# Allegro board POWERBOARD_V1_11_20240516.brd
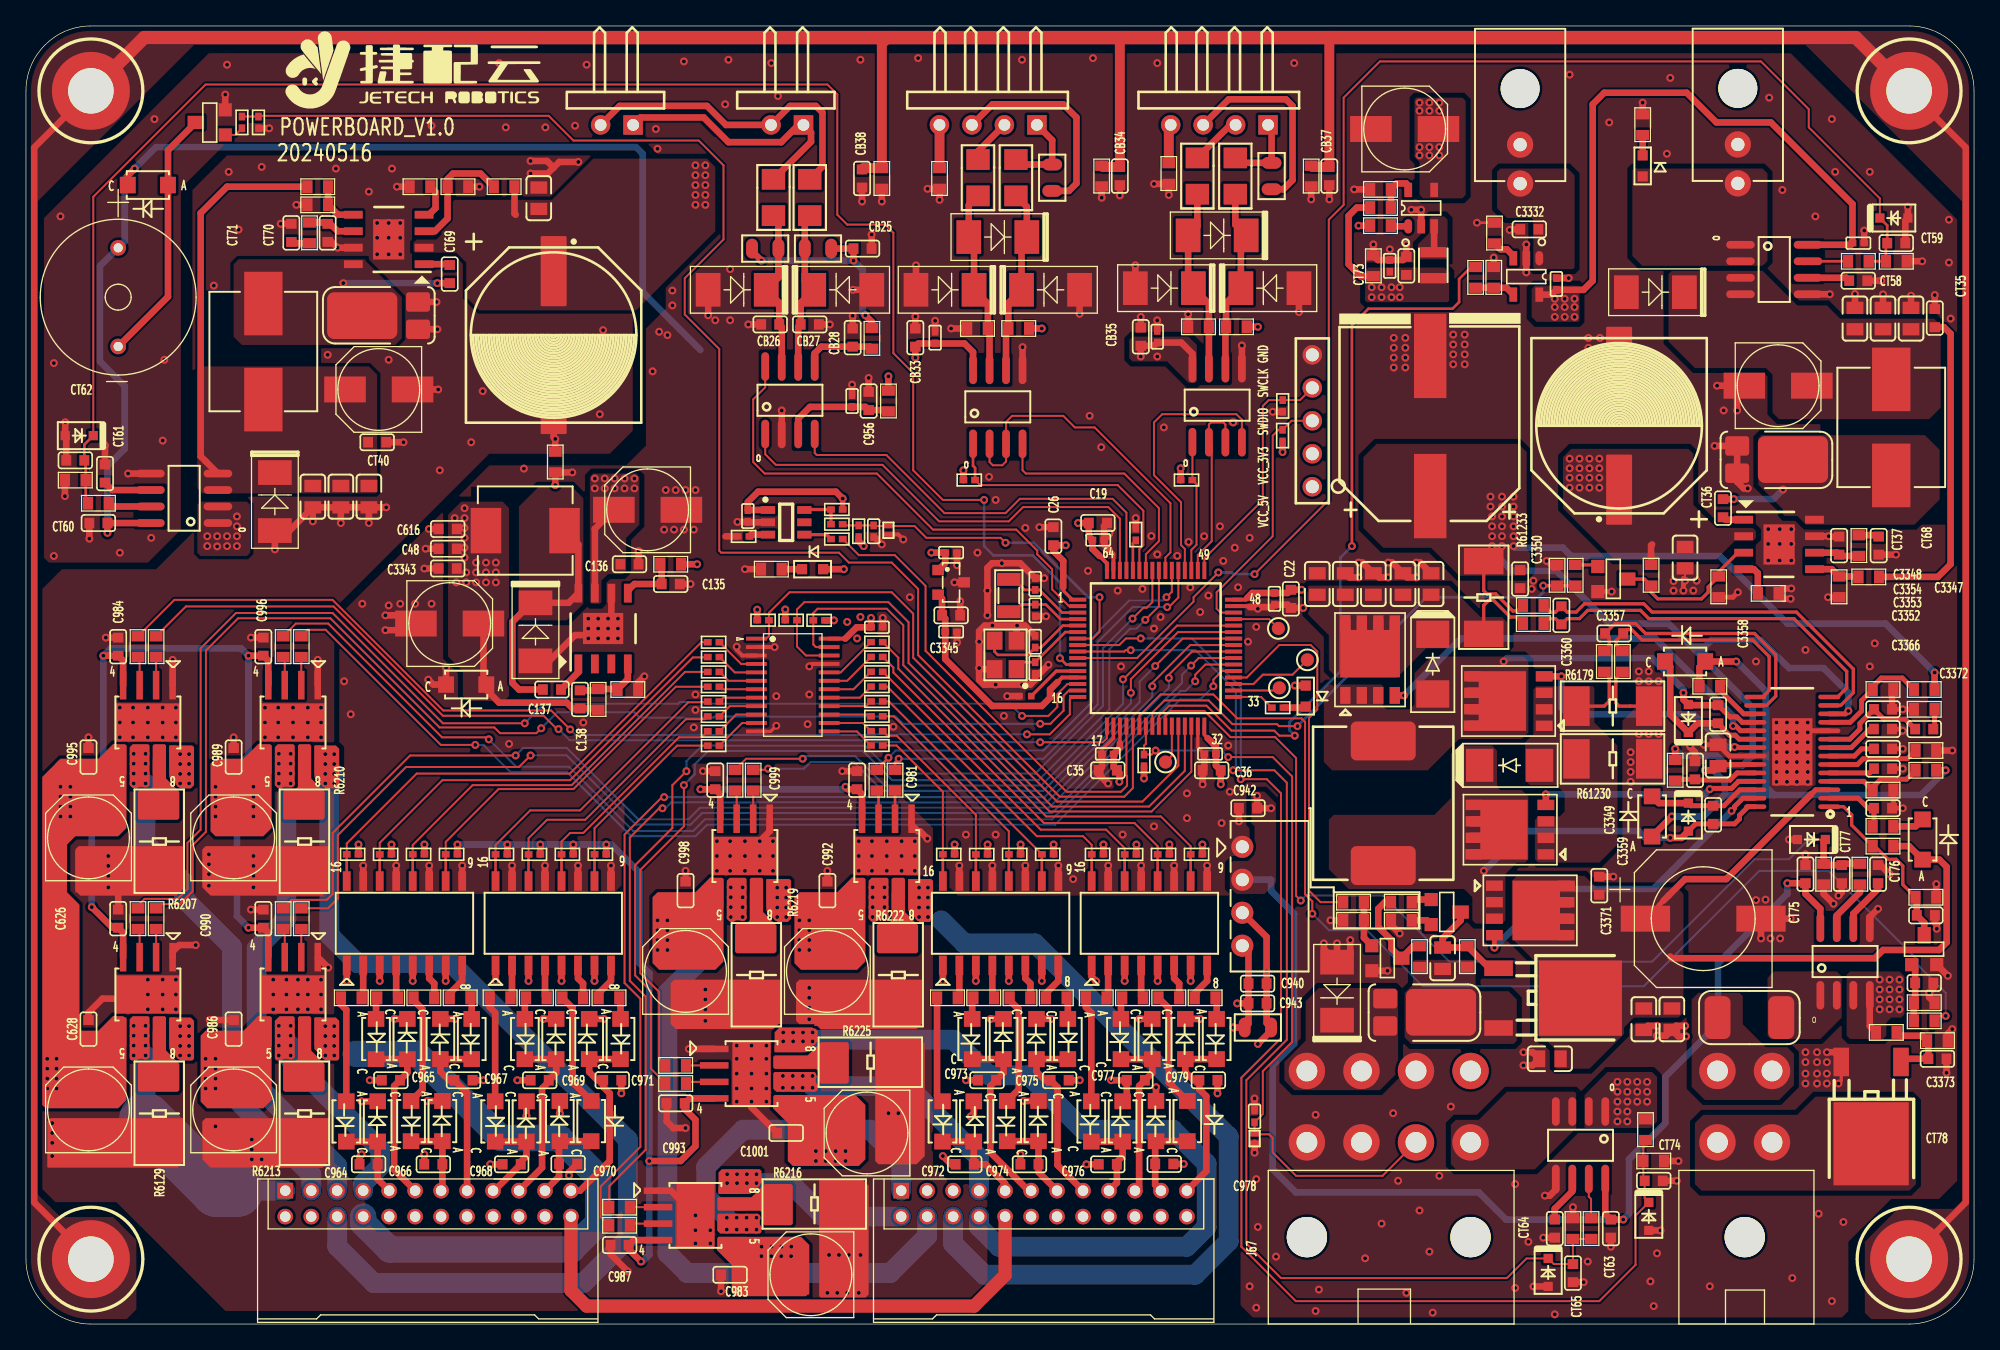
[diagram p0: board, top side]
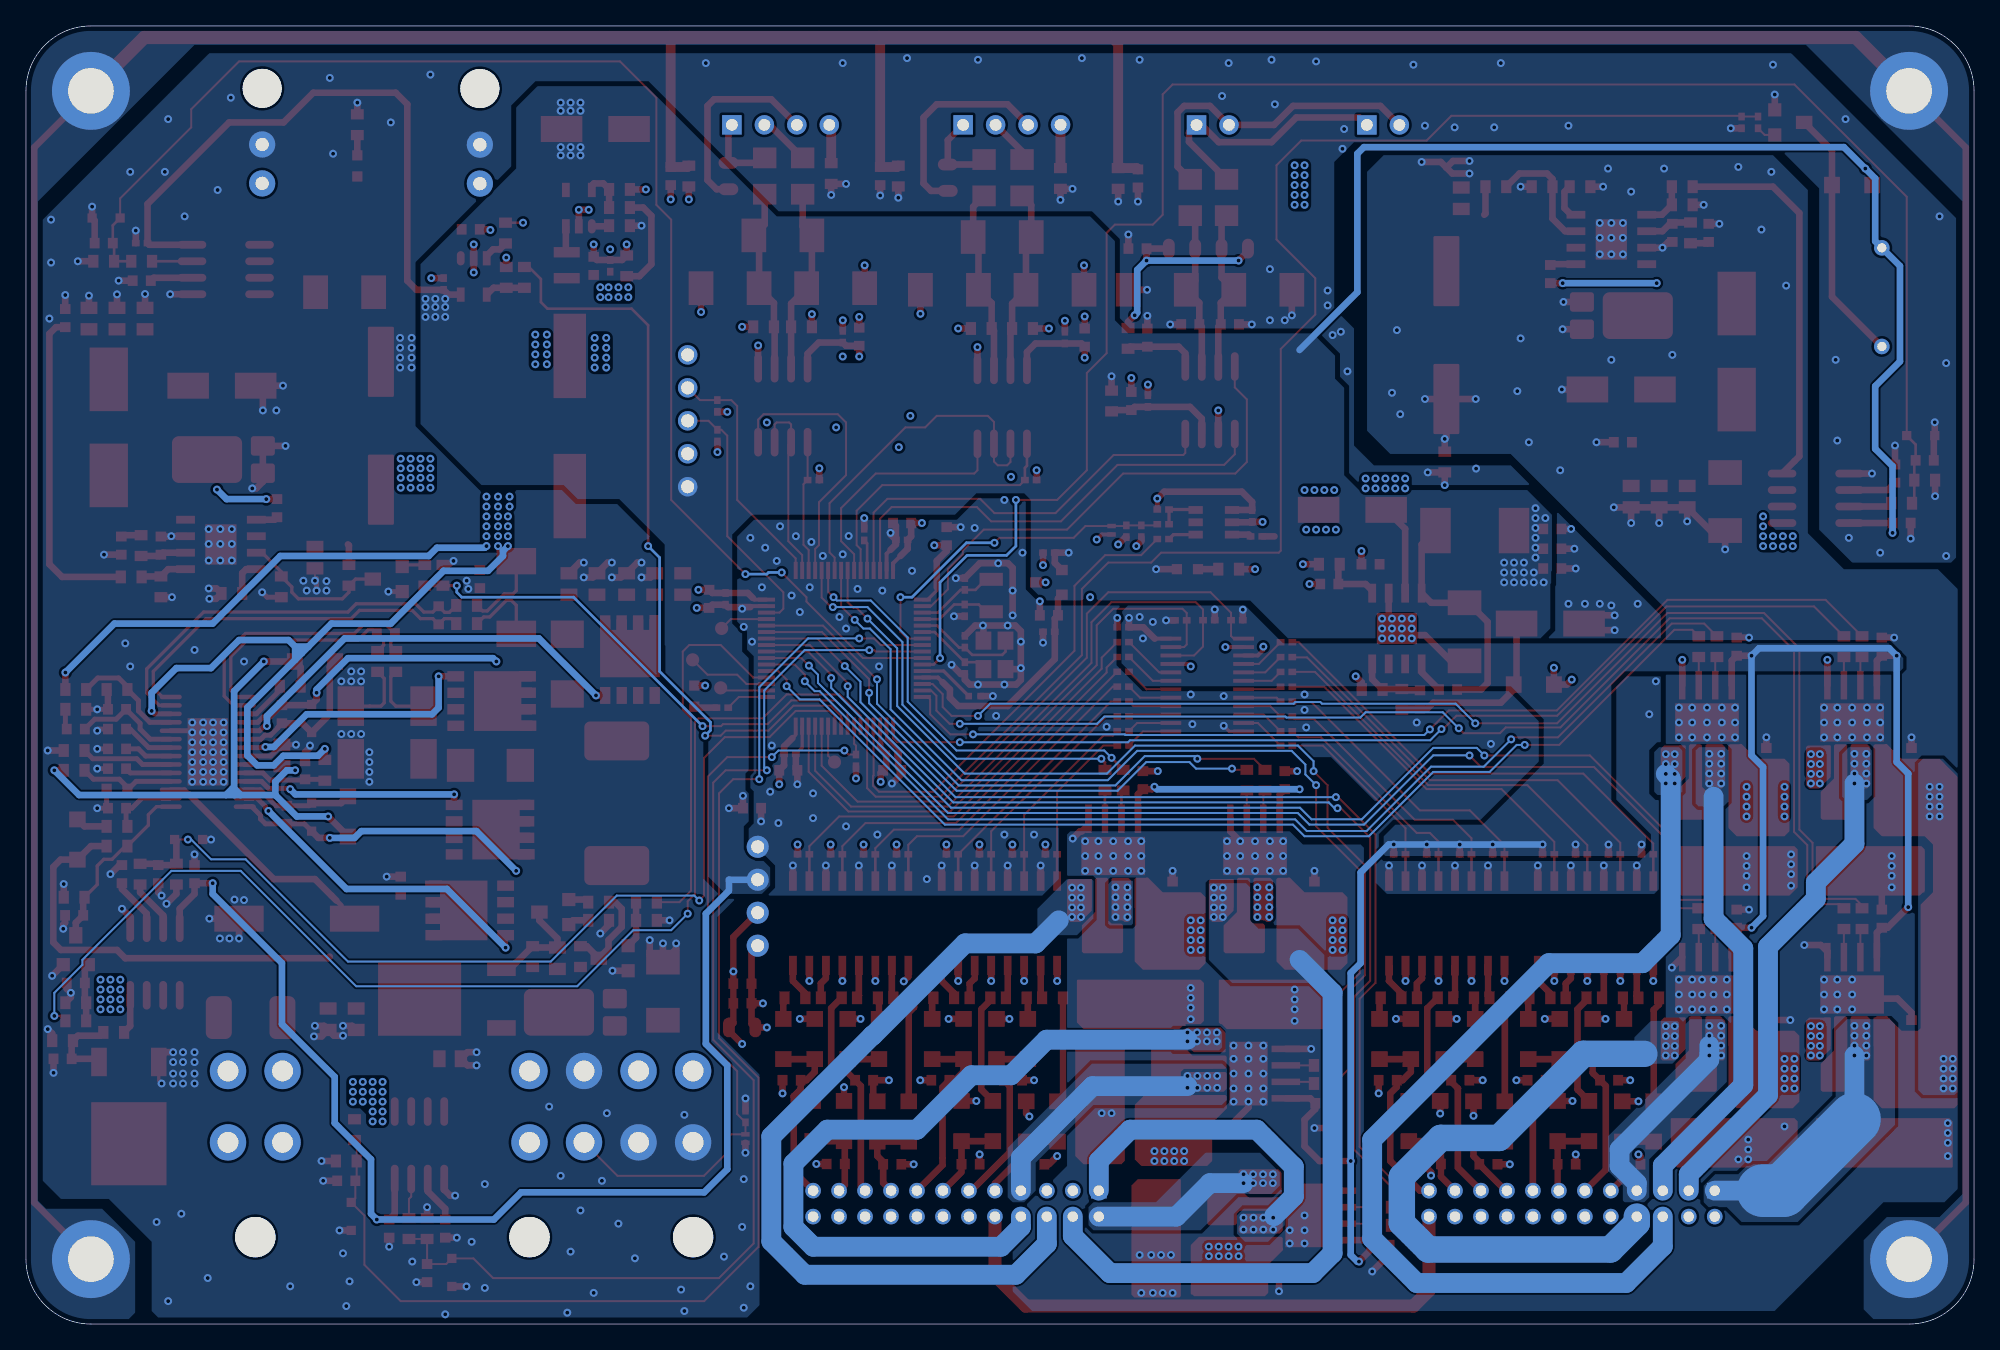
[diagram p1: board, bottom side, seen from below]

Outline 150 x 100 mm; copper layers: TOP, GND02, POWER03, BOTTOM. Coordinates in mm from the lower left corner of the outline.
Outline path: 0,95 arc(1.46,98.54) 5,100 145,100 arc(148.54,98.54) 150,95 150,5 arc(148.54,1.46) 145,0 5,0 arc(1.46,1.46) 0,5 0,95

## Design rules (mm)
constraint set DEFAULT: min track width 0.152

## Placement (name value [footprint] x y rotation side)
C19  10UF  [C0603]  82.54 61.71 180 top
C20  0.1UF  [C0402]  82.56 60.41 180 top
C21  0.1UF  [C0402]  96.13 55.87 270 top
C22  10UF  [C0603]  97.4 55.87 270 top
C23  10PF  [C0402]  77.71 57.01 90 top
C25  10PF  [C0402]  77.72 54.98 270 top
C26  10UF  [C0603]  79.11 60.69 90 top
C27  20PF  [C0402]  77.71 52.57 90 top
C31  20PF  [C0402]  77.71 50.53 90 top
C33  0.1UF  [C0402]  83.3 43.92 180 top
C34  0.1UF  [C0402]  91.17 43.92 180 top
C35  10UF  [C0603]  83.3 42.66 180 top
C36  10UF  [C0603]  91.3 42.66 180 top
C48  0.1UF  [C0603]  32.47 59.73 180 top
C135  0.1UF  [C0603]  49.65 57.01 0 top
C136  0.1UF  [C0603]  46.47 58.53 0 top
C137  10NF  [C0603]  40.5 48.88 180 top
C138  100PF  [C0603]  42.66 48.12 90 top
C531  0.1UF  [C0402]  65.27 61.07 270 top
C564  CSMT_50V_330UF_12p5x13p5  [CSMT_12P5_12P5]  122.67 69.2 90 top
C566  4.7UF_50V  [C0805]  127.75 59.04 270 top
C611  470UF_25V  [OSCON_6P6_6P6]  47.87 62.73 0 top
C612  0.1UF  [C0402]  94.6 15.99 90 top
C616  10UF_10V  [C0603]  32.47 61.25 180 top
C619  CSMT_10V_220UF_6p3x7p7  [OSCON_6P6_6P6]  32.63 53.96 180 top
C626  0.1UF  [C0603]  7.1 31.23 90 top
C627  470UF_25V  [OSCON_6P6_6P6]  4.81 16.5 270 top
C628  CL10B224KA8NNNC  [C0603]  4.81 22.72 90 top
C940  0.1UF  [C0603]  94.83 26.23 0 top
C942  10UF_10V  [C0603]  94.1 39.74 180 top
C943  10UF_10V  [C0603]  94.83 24.7 0 top
C956  10UF_10V  [C0603]  64.89 71.11 90 top
C964  100PF  [C0603]  26.38 12.31 180 top
C965  100PF  [C0603]  28.1 18.78 180 top
C966  100PF  [C0603]  31.37 12.31 180 top
C967  100PF  [C0603]  33.69 18.78 0 top
C968  100PF  [C0603]  37.4 12.31 180 top
C969  100PF  [C0603]  39.56 18.78 180 top
C970  100PF  [C0603]  41.74 12.33 0 top
C971  100PF  [C0603]  45.14 18.78 0 top
C972  100PF  [C0603]  72.29 12.31 180 top
C973  100PF  [C0603]  74 18.78 180 top
C974  100PF  [C0603]  77.27 12.31 180 top
C975  100PF  [C0603]  79.59 18.78 0 top
C976  100PF  [C0603]  83.3 12.31 180 top
C977  100PF  [C0603]  85.46 18.78 180 top
C978  100PF  [C0603]  87.65 12.33 0 top
C979  100PF  [C0603]  91.05 18.78 0 top
C981  0.1UF  [C0603]  64 41.9 90 top
C982  470UF_25V  [OSCON_6P6_6P6]  50.79 27.17 270 top
C983  CL10B224KA8NNNC  [C0603]  54.22 3.8 180 top
C984  0.1UF  [C0603]  7.1 52.18 90 top
C985  470UF_25V  [OSCON_6P6_6P6]  4.81 37.45 270 top
C986  CL10B224KA8NNNC  [C0603]  15.99 22.72 90 top
C987  0.1UF  [C0603]  45.71 6.08 180 top
C988  470UF_25V  [OSCON_6P6_6P6]  61.71 27.17 270 top
C989  CL10B224KA8NNNC  [C0603]  15.99 43.68 90 top
C990  0.1UF  [C0603]  18.28 31.23 90 top
C991  470UF_25V  [OSCON_6P6_6P6]  15.99 37.45 270 top
C992  CL10B224KA8NNNC  [C0603]  61.71 33.39 90 top
C993  0.1UF  [C0603]  50.03 17.01 180 top
C994  470UF_25V  [OSCON_6P6_6P6]  64.76 14.72 0 top
C995  CL10B224KA8NNNC  [C0603]  4.81 43.68 90 top
C996  0.1UF  [C0603]  18.28 52.18 90 top
C997  470UF_25V  [OSCON_6P6_6P6]  60.44 3.8 0 top
C998  CL10B224KA8NNNC  [C0603]  50.79 33.39 90 top
C999  0.1UF  [C0603]  53.07 41.9 90 top
C1000  470UF_25V  [OSCON_6P6_6P6]  15.99 16.5 270 top
C1001  CL10B224KA8NNNC  [C0603]  58.54 14.72 180 top
C1002  0.1UF  [C0402]  71.24 59.43 0 top
C1003  470UF_25V  [OSCON_6P6_6P6]  134.91 72.29 180 top
C3331  CSMT_10V_220UF_6p3x7p7  [OSCON_6P6_6P6]  106.16 92.06 180 top
C3332  10UF_10V  [C0603]  115.75 84.33 180 top
C3334  22UF_25V  [C0805]  145.15 77.46 90 top
C3335  22UF_25V  [C0805]  140.83 77.46 90 top
C3336  22UF_25V  [C0805]  142.99 77.46 90 top
C3337  CSMT_50V_330UF_12p5x13p5  [CSMT_12P5_12P5]  40.63 76.19 270 top
C3338  4.7UF_50V  [C0805]  39.49 86.73 90 top
C3339  470UF_25V  [OSCON_6P6_6P6]  27.17 72 0 top
C3340  22UF_25V  [C0805]  24.25 63.74 270 top
C3341  22UF_25V  [C0805]  26.4 63.74 270 top
C3342  22UF_25V  [C0805]  22.09 63.74 270 top
C3343  10UF_10V  [C0603]  32.47 58.2 180 top
C3345  10UF  [C0603]  71.24 54.6 0 top
C3346  0.1UF  [C0402]  71.24 53.33 0 top
C3347  22NF  [C0603]  146.17 45.83 0 top
C3348  100PF  [C0603]  142.99 47.36 0 top
C3349  220NF  [C0603]  128.51 42.66 90 top
C3350  100PF  [C0603]  115.05 57.39 270 top
C3352  22NF  [C0603]  142.99 42.79 0 top
C3353  100PF  [C0603]  142.99 44.31 0 top
C3354  0.1UF  [C0603]  142.99 45.84 0 top
C3355  4.7UF_50V  [C0805]  130.29 43.8 90 top
C3356  RVT470UF50V34RV0133  [OSCON_12P5_12P5]  108.13 63.78 90 top
C3357  47PF  [C0603]  122.29 53.2 180 top
C3358  220NF  [C0603]  130.29 46.98 270 top
C3359  220NF  [C0603]  129.91 39.23 90 top
C3360  47PF  [C0603]  118.23 54.6 270 top
C3361  4.7UF_50V  [C0805]  101.59 57.01 90 top
C3362  4.7UF_50V  [C0805]  99.43 57.01 90 top
C3363  4.7UF_50V  [C0805]  103.75 57.01 90 top
C3364  4.7UF_50V  [C0805]  108.19 57.01 90 top
C3365  4.7UF_50V  [C0805]  106.03 57.01 90 top
C3366  0.1UF  [C0603]  142.99 39.74 0 top
C3367  4.7UF_50V  [C0805]  117.34 20.43 180 top
C3368  4.7UF_50V  [C0805]  126.73 23.48 270 top
C3369  4.7UF_50V  [C0805]  124.58 23.48 270 top
C3370  CS220UF50V167RV0149  [OSCON_10P0_10P0]  129.15 31.23 0 top
C3371  0.1UF  [C0603]  121.15 33.77 90 top
C3372  0.1UF  [C0603]  146.29 31.48 0 top
C3373  0.1UF  [C0603]  146.17 26.28 0 top
C3376  4.7UF_50V  [C0805]  109.08 28.18 90 top
CB22  0.1UF  [C0402]  70 75.99 90 top
CB24  0.1UF  [C0402]  63.61 71.11 90 top
CB25  4.7NF_50V  [C0603]  64.42 82.85 0 top
CB26  56PF  [C0603]  57.3 77.01 180 top
CB27  56PF  [C0603]  60.35 77.01 0 top
CB28  0.1UF  [C0603]  63.65 75.99 90 top
CB30  0.1UF  [C0402]  65.52 53.68 0 top
CB33  10UF  [C0603]  68.48 75.99 90 top
CB34  1000PF  [C0603]  84.23 88.44 90 top
CB35  10UF  [C0603]  85.84 76.06 90 top
CB36  0.1UF  [C0402]  87.1 76.06 90 top
CB37  1000PF  [C0603]  100.36 88.44 90 top
CB38  1000PF  [C0603]  64.38 88.25 90 top
CT35  0.1UF  [C0603]  146.98 77.49 90 top
CT36  0.1UF  [C0603]  130.67 62.85 90 top
CT37  6.8PF_50V  [C0603]  139.61 59.97 90 top
CT40  0.1UF  [C0603]  27.04 67.93 0 top
CT56  0.1UF  [C0402]  55.58 62.25 270 top
CT57  0.1UF  [C0402]  141.09 83.27 0 top
CT58  10NF  [C0603]  141.09 80.38 0 top
CT59  3.3NF_50V  [C0603]  144.01 83.27 0 top
CT60  0.1UF  [C0603]  5.58 61.71 180 top
CT61  10NF  [C0603]  6.08 65.52 90 top
CT62  3.3NF_50V  [C0603]  3.8 66.54 180 top
CT63  0.1UF  [C0603]  122.04 7.35 270 top
CT64  10NF  [C0603]  117.72 7.35 270 top
CT65  3.3NF_50V  [C0603]  119.11 3.92 270 top
CT67  0.1UF  [C0402]  117.84 80.12 90 top
CT68  3.3NF_50V  [C0603]  142.66 59.97 270 top
CT69  0.1UF  [C0603]  32.63 80.89 270 top
CT70  6.8PF_50V  [C0603]  23.23 84.06 270 top
CT71  3.3NF_50V  [C0603]  20.44 84.06 90 top
CT72  0.1UF  [C0402]  105.01 81.52 90 top
CT73  10UF  [C0603]  106.29 81.52 90 top
CT74  0.1UF  [C0603]  125.34 11.04 0 top
CT75  0.1UF  [C0603]  137.02 34.66 90 top
CT76  10NF  [C0603]  142.61 34.66 90 top
CT77  3.3NF_50V  [C0603]  139.82 34.66 270 top
CT78  1NF  [C0603]  147.18 20.43 0 top
D816  1N4148W  [SOD123L]  24.67 15.61 90 top
D817  1N4148W  [SOD123L]  26.95 21.96 90 top
D818  1N4148W  [SOD123L]  29.65 15.64 90 top
D819  1N4148W  [SOD123L]  34.32 21.96 90 top
D820  1N4148W  [SOD123L]  36.13 15.61 90 top
D821  1N4148W  [SOD123L]  38.41 21.96 90 top
D822  1N4148W  [SOD123L]  43.52 15.64 90 top
D823  1N4148W  [SOD123L]  45.78 21.96 90 top
D824  1N4148W  [SOD123L]  70.57 15.61 90 top
D825  1N4148W  [SOD123L]  72.86 21.96 90 top
D826  1N4148W  [SOD123L]  75.55 15.64 90 top
D827  1N4148W  [SOD123L]  80.22 21.96 90 top
D828  1N4148W  [SOD123L]  82.03 15.61 90 top
D829  1N4148W  [SOD123L]  84.32 21.96 90 top
D830  1N4148W  [SOD123L]  89.42 15.64 90 top
D831  1N4148W  [SOD123L]  91.68 21.96 90 top
D832  SS56  [SMB]  39.23 53.33 180 top
D833  LED0603_GREEN  [LED0603]  98.54 48.37 270 top
D834  LED0603_YELLOWGREEN  [LED0603]  124.49 89.22 90 top
D835  LED0603_RED  [LED0603]  60.57 58.15 180 top
D836  1N4148W  [SOD123L]  9.39 87.74 0 top
D837  SS210  [SOD123L]  127.75 51.04 0 top
D838  SS210  [SOD123L]  125.21 39.1 270 top
D839  SS210  [SMA]  116.54 43.04 180 top
D840  SS210  [SMA]  108.32 48.54 90 top
D841  SS210  [SOD123L]  146.04 37.33 270 top
DB49  0  [R0603]  65.14 75.93 90 top
DB51  0  [R0603]  66.41 71.11 270 top
DT46  10K  [R0603]  73.27 76.7 180 top
DT47  10K  [R0603]  76.44 76.7 180 top
DT70  5.1K  [R0603]  119.29 57.68 90 top
DT71  47K  [R0603]  117.89 57.68 90 top
DT73  10K  [R0402]  72.63 65.02 0 top
DT74  1M  [R0603]  82.83 88.44 90 top
DT75  10K  [R0402]  89.36 65.02 0 top
DT76  10K  [R0603]  93.21 76.82 180 top
DT78  10K  [R0603]  90.29 76.82 180 top
DT79  1M  [R0603]  98.96 88.44 90 top
DT80  1M  [R0603]  65.9 88.25 90 top
DT81  0  [R0603]  88 88.63 90 top
DT82  0  [R0603]  70.35 88.25 90 top
DT83  100K_1%  [R0603]  147.18 21.83 0 top
DT84  100K_1%  [R0603]  143.24 22.47 0 top
ESD9  ESD5451N-2/TR  [DFN1006]  66.41 61.15 270 top
ESD10  ESD5451N-2/TR  [DFN1006]  94.6 14.29 270 top
FB1  BLM15AG102SN1D  [FB0402]  76.95 48.37 0 top
J66  -  [HX30002-4WA]  130.24 19.5 0 top
J67  -  [HX30002-8WA]  98.63 19.5 0 top
J68  -  [HX30002-2WA]  131.81 87.87 180 top
J69  -  [HX30002-2WA]  115.05 87.86 180 top
J70  -  [YTC-A2501-02AW]  59.87 92.38 180 top
J71  Paizhen_2p54mm_5P  [JUMPER2P54_1X5]  99.05 69.58 90 top
J72  -  [PH-4AW]  77.84 92.38 180 top
J74  HC-PHB-2*12AW-05  [PHB_2MM_12X2P]  19.97 10.28 0 top
J75  HC-PHB-2*12AW-05  [PHB_2MM_12X2P]  67.39 10.28 0 top
J76  -  [PH-4AW]  95.64 92.38 180 top
J77  -  [YTC-A2501-02AW]  46.75 92.38 180 top
L3  FAUL0640-220MT  [L6P6X7P0]  38.44 61.12 180 top
L4  CYA1040-47UH  [L11P6X10P1]  104.51 44.92 270 top
L5  CYA0850-10UH  [L9P2X8P0]  143.63 69.08 90 top
L6  CYA0850-10UH  [L9P2X8P0]  18.28 74.92 270 top
L7  FNRH252010S-2R2MT  [L2520]  108.36 82.57 0 top
MH1  NA  [MEHOLE]  145 95 0 top
MH2  NA  [MEHOLE]  5 5 0 top
MH3  NA  [MEHOLE]  5 95 0 top
MH4  NA  [MEHOLE]  145 5 0 top
NOREF  -  []  -22.62 103.87 0 top
Q11  MMBT2907A  [SOT_23]  122.21 57.39 270 top
Q12  MMBT2907A  [SOT_23]  14.16 92.57 90 top
Q13  NCE6003  [SOT_23]  146.17 28.87 0 top
Q14  NCE6003  [SOT_23]  109.39 31.74 270 top
Q15  NCE6003  [SOT_23]  104.81 28.18 270 top
R35  10K  [R0402]  85.45 60.82 90 top
R68  3.24K_1%  [R0603]  46.34 48.88 0 top
R69  100K_1%  [R0603]  49.65 58.53 180 top
R71  10K_1%  [R0603]  44.06 48.12 90 top
R254  10K  [R0402]  64.12 61.07 90 top
R342  140K_1%  [R0603]  141.9 57.56 180 top
R343  10K_1%  [R0603]  139.61 56.79 270 top
R806  249K  [R0603]  134.15 56.29 0 top
R807  450K_1%  [R0603]  125.13 57.68 270 top
R6128  10K  [R0402]  96.76 68.44 90 top
R6129  FRM252WJR200TK  [R2512]  10.28 16.22 270 top
R6130  1K  [R0603]  10.02 31.23 270 top
R6131  1K  [R0603]  8.62 31.23 270 top
R6151  1K  [R0805]  94.86 22.85 0 top
R6168  60.4_1%  [R0805]  56.92 82.85 180 top
R6169  60.4_1%  [R0805]  60.99 82.85 0 top
R6170  1K  [R0402]  16.63 92.57 270 top
R6171  47K  [R0402]  17.9 92.57 270 top
R6179  HoLLR2512-3W-30mR-1%  [R2512]  122.19 47.61 0 top
R6183  10K  [R0402]  25.15 36.19 0 top
R6184  10K  [R0402]  27.69 36.18 0 top
R6185  10K  [R0402]  30.23 36.19 0 top
R6186  10K  [R0402]  32.77 36.19 0 top
R6187  10K  [R0402]  36.61 36.19 0 top
R6188  10K  [R0402]  39.15 36.18 0 top
R6189  10K  [R0402]  41.69 36.19 0 top
R6190  10K  [R0402]  44.23 36.19 0 top
R6191  10K  [R0402]  71.05 36.19 0 top
R6192  10K  [R0402]  73.59 36.18 0 top
R6193  10K  [R0402]  76.13 36.19 0 top
R6194  10K  [R0402]  78.67 36.19 0 top
R6195  10K  [R0402]  82.51 36.19 0 top
R6196  10K  [R0402]  85.05 36.18 0 top
R6197  10K  [R0402]  87.59 36.19 0 top
R6198  10K  [R0402]  90.13 36.19 0 top
R6199  3.6K_1%  [R0603]  141.09 81.87 0 top
R6200  10K_1%  [R0603]  144.01 81.87 0 top
R6201  3.6K_1%  [R0603]  5.58 63.23 180 top
R6202  10K_1%  [R0603]  3.8 65.01 180 top
R6203  3.6K_1%  [R0603]  120.51 7.35 270 top
R6204  10K_1%  [R0603]  119.11 7.35 90 top
R6205  1K  [R0603]  10.02 52.18 270 top
R6206  1K  [R0603]  8.62 52.18 270 top
R6207  FRM252WJR200TK  [R2512]  10.28 37.17 270 top
R6208  1K  [R0603]  21.2 52.18 270 top
R6209  1K  [R0603]  19.8 52.18 270 top
R6210  FRM252WJR200TK  [R2512]  21.45 37.17 270 top
R6211  1K  [R0603]  21.2 31.23 270 top
R6212  1K  [R0603]  19.8 31.23 270 top
R6213  FRM252WJR200TK  [R2512]  21.45 16.22 270 top
R6214  1K  [R0603]  45.71 9 0 top
R6215  1K  [R0603]  45.71 7.61 0 top
R6216  FRM252WJR200TK  [R2512]  60.72 9.26 0 top
R6217  1K  [R0603]  56 41.9 270 top
R6218  1K  [R0603]  54.6 41.9 270 top
R6219  FRM252WJR200TK  [R2512]  56.25 26.89 270 top
R6220  1K  [R0603]  66.92 41.9 270 top
R6221  1K  [R0603]  65.52 41.9 270 top
R6222  FRM252WJR200TK  [R2512]  67.17 26.89 270 top
R6223  1K  [R0603]  50.03 19.93 0 top
R6224  1K  [R0603]  50.03 18.53 0 top
R6225  FRM252WJR200TK  [R2512]  65.04 20.18 0 top
R6226  1K  [R0603]  111.62 80.63 90 top
R6227  3.6K_1%  [R0603]  113.08 84.04 90 top
R6228  28.7K  [R0603]  141.13 59.97 90 top
R6229  100K_1%  [R0603]  130.34 56.79 270 top
R6230  450K_1%  [R0603]  36.82 87.62 180 top
R6231  140K_1%  [R0603]  22.47 87.62 0 top
R6232  28.7K  [R0603]  21.83 84.06 270 top
R6233  100K_1%  [R0603]  33.26 87.62 0 top
R6234  249K  [R0603]  30.34 87.62 180 top
R6235  10K_1%  [R0603]  22.47 86.22 180 top
R6237  120  [R0805]  95.91 88.44 270 top
R6238  120  [R0805]  79.02 88.31 270 top
R6239  100K_1%  [R0603]  104.3 84.61 0 top
R6240  450K_1%  [R0603]  104.3 86.01 0 top
R6241  100K_1%  [R0603]  104.3 87.41 180 top
R6242  1K  [R0603]  103.75 81.52 90 top
R6243  1K  [R0402]  96.38 47.49 180 top
R6244  10K  [R0603]  124.49 92.39 90 top
R6245  10K  [R0603]  57.39 58.15 180 top
R6246  0  [R0603]  40.76 66.41 270 top
R6248  30K_1%  [R0603]  124.7 14.97 270 top
R6249  2K_1%  [R0603]  125.34 12.56 0 top
R6250  10K  [R0402]  86.09 43.42 90 top
R61217  10K  [R0402]  96.77 70.73 270 top
R61218  10K  [R0603]  113.02 80.63 90 top
R61220  10K_1%  [R0603]  146.17 47.36 180 top
R61221  10K_1%  [R0603]  142.99 48.88 0 top
R61222  348K_1%  [R0603]  146.17 48.88 180 top
R61223  R_NC  [R0603]  126.99 42.66 270 top
R61224  100K_1%  [R0603]  146.29 44.18 0 top
R61225  10K_1%  [R0603]  129.66 49.14 180 top
R61226  R_NC  [R0603]  146.29 42.66 180 top
R61227  100_1%  [R0603]  142.99 41.14 0 top
R61228  100_1%  [R0603]  122.92 51.04 90 top
R61229  100_1%  [R0603]  121.53 51.04 90 top
R61230  HoLLR2512-3W-30mR-1%  [R2512]  122.19 43.55 0 top
R61231  10_1%  [R0603]  116.07 55.36 0 top
R61232  10_1%  [R0603]  116.07 53.96 0 top
R61233  HoLLR2512-3W-30mR-1%  [R2512]  112.26 55.97 270 top
R61234  100K_1%  [R0603]  142.99 36.82 180 top
R61235  10K_1%  [R0603]  146.29 32.88 0 top
R61236  10_1%  [R0603]  142.99 38.34 180 top
R61237  3.6K_1%  [R0603]  141.21 34.66 90 top
R61238  10K_1%  [R0603]  138.42 34.66 270 top
R61239  10K_1%  [R0603]  146.17 24.75 0 top
R61240  2K  [R0603]  146.17 23.36 180 top
R61241  100_1%  [R0603]  105.91 32.5 0 top
R61243  100K_1%  [R0603]  105.91 31.1 180 top
R61244  200K_1%  [R0603]  107.3 28.31 90 top
R61245  200K_1%  [R0603]  110.99 28.31 90 top
R61246  1K  [R0603]  102.22 31.1 180 top
R61247  100_1%  [R0603]  102.22 32.5 0 top
RT71  1K_NC  [R0402]  62.44 61.62 0 top
RT72  100K_1%  [R0402]  62.44 62.75 180 top
RT84  470  [R0402]  62.44 60.47 0 top
RT85  20K  [R0402]  55.26 60.68 180 top
RT138  470  [R0603]  25.05 25.13 0 top
RT139  470  [R0603]  27.84 25.13 0 top
RT140  470  [R0603]  30.64 25.13 0 top
RT141  470  [R0603]  33.43 25.13 180 top
RT142  470  [R0402]  52.95 52.52 180 top
RT143  470  [R0402]  52.95 51.38 180 top
RT144  470  [R0402]  52.95 50.24 180 top
RT145  470  [R0402]  52.95 49.09 180 top
RT146  470  [R0402]  52.95 47.95 180 top
RT147  470  [R0402]  52.95 46.81 180 top
RT148  470  [R0402]  52.95 45.67 180 top
RT149  470  [R0402]  52.95 44.56 180 top
RT150  470  [R0402]  65.52 44.57 0 top
RT151  470  [R0402]  65.52 45.68 0 top
RT152  470  [R0402]  65.52 46.82 0 top
RT153  470  [R0402]  65.52 47.96 0 top
RT154  470  [R0402]  65.52 49.11 0 top
RT155  470  [R0402]  65.52 50.25 0 top
RT156  470  [R0402]  65.52 51.39 0 top
RT157  470  [R0402]  65.52 52.53 0 top
RT158  470  [R0603]  36.51 25.13 0 top
RT159  470  [R0603]  39.3 25.13 0 top
RT160  470  [R0603]  42.1 25.13 0 top
RT161  470  [R0603]  44.89 25.13 180 top
RT162  470  [R0603]  70.95 25.13 0 top
RT163  470  [R0603]  73.75 25.13 0 top
RT164  470  [R0603]  76.54 25.13 0 top
RT165  470  [R0603]  79.33 25.13 180 top
RT166  470  [R0603]  82.41 25.13 0 top
RT167  470  [R0603]  85.21 25.13 0 top
RT168  470  [R0603]  88 25.13 0 top
RT169  470  [R0603]  90.79 25.13 180 top
RT170  10K  [R0402]  56.76 54.22 0 top
RT172  4.7K  [R0402]  58.92 54.22 0 top
RT173  4.7K  [R0402]  61.08 54.21 180 top
TP34  -  [TP_SMT]  96.51 49.01 0 top
TP35  -  [TP_SMT]  98.67 51.17 0 top
TP37  -  [TP_SMT]  96.44 53.59 0 top
TP38  -  [TP_SMT]  87.75 43.29 0 top
U7  SY8088AAC  [SOT23-5]  107.43 85.97 90 top
U9  TMB12A05  [BEEPER12X7P6]  7.1 79.11 0 top
U16  XL2EL89COI-111YLC-8M  [TROQ_32X25]  75.43 51.55 90 top
U61  ELQ3H7(TA)  [ELQ3H7_TA]  29.14 30.88 90 top
U3018  SY6280AAC  [SOT23-5]  115.52 80.7 270 top
U3054  SMBJ30A  [SMB]  100.95 25.64 0 top
U3056  TPS54560DDAR  [SOIC8EP]  134.99 60.06 0 top
U3064  SMBJ13A  [SMB]  19.17 63.36 180 top
U3107  DRV8870DDAR  [HSOP-8-EP]  9.39 25.39 180 top
U3118  TJA1040T/CM,118  [SOIC8]  58.83 71.17 0 top
U3119  APM32F103RBT6  [LQFP64]  86.98 52.06 0 top
U3132  CC6900SO-20A  [SOIC8]  12.18 63.61 90 top
U3134  DRV8870DDAR  [HSOP-8-EP]  9.39 46.34 180 top
U3135  DRV8870DDAR  [HSOP-8-EP]  20.56 46.34 180 top
U3136  DRV8870DDAR  [HSOP-8-EP]  20.56 25.39 180 top
U3137  DRV8870DDAR  [HSOP-8-EP]  51.55 8.37 270 top
U3138  DRV8870DDAR  [HSOP-8-EP]  55.36 36.06 180 top
U3139  DRV8870DDAR  [HSOP-8-EP]  66.28 36.06 180 top
U3140  DRV8870DDAR  [HSOP-8-EP]  55.87 19.29 270 top
U3141  SB1545L  [TO-277]  104.66 25.06 0 top
U3144  SB1545L  [TO-277]  131.76 67.65 0 top
U3146  TPS54560DDAR  [SOIC8EP]  27.93 83.55 180 top
U3147  SB1545L  [TO-277]  30.19 76.64 180 top
U3148  CC6900SO-20A  [SOIC8]  134.62 81.24 270 top
U3149  CC6900SO-30A  [SOIC8]  119.7 13.77 180 top
U3150  SMBJ13A  [SMB]  125.46 79.49 90 top
U3151  ELQ3H7(TA)  [ELQ3H7_TA]  40.6 30.88 90 top
U3152  ELQ3H7(TA)  [ELQ3H7_TA]  75.05 30.88 90 top
U3153  ELQ3H7(TA)  [ELQ3H7_TA]  86.5 30.88 90 top
U3154  TPS5430DDA  [SOIC8EP]  44.44 53.58 90 top
U3155  NCP51460SN33T1G  [SOT23-3]  71.24 57.14 270 top
U3156  LM5176PWPR  [HTSSOP28]  138.86 39.86 90 top
U3157  BSC340N08NS3 G  [DFN8_5X6]  113.25 47.99 90 top
U3158  BSC340N08NS3 G  [DFN8_5X6]  113.38 38.09 90 top
U3159  BSC340N08NS3 G  [DFN8_5X6]  116.72 31.86 270 top
U3160  BSC340N08NS3 G  [DFN8_5X6]  103.49 52.07 0 top
U3161  CC6900SO-30A  [SOIC8]  140.07 27.93 0 top
U3162  NCE6020AK  [TO-252-2]  144.38 20.19 180 top
U3163  NCE60P25K  [TO-252-2]  113.39 27.41 270 top
UB11  SMD1206P012TF  [FUSE1206]  76.23 88.31 90 top
UB12  SMD1206P012TF  [FUSE1206]  73.31 88.31 90 top
UB13  SMD1206P012TF  [FUSE1206]  57.56 86.79 90 top
UB14  SMD1206P012TF  [FUSE1206]  60.35 86.79 90 top
UB15  SMD1206P012TF  [FUSE1206]  93.12 88.44 90 top
UB16  SMD1206P012TF  [FUSE1206]  90.2 88.44 90 top
UB17  JFC2410-2100TS  [SMD]  135.15 23.61 180 top
UT22  TPL5010DDCR  [SOT23-6]  58.54 61.76 180 top
UT23  -  [B0505S-1WR3]  93.66 32.96 270 top
UT25  TCA9535PWR  [TSSOP24]  59.04 49.23 0 top
UT44  SP3485EEN  [SOIC8N]  74.83 70.66 0 top
UT52  SMBJ8.0CA  [SMB]  78.89 79.67 270 top
UT85  SMF5.0CA  [SOD123FL]  27.08 15.61 270 top
UT86  SMF5.0CA  [SOD123FL]  29.37 21.96 270 top
UT87  SMF5.0CA  [SOD123FL]  32.06 15.64 270 top
UT88  SMF5.0CA  [SOD123FL]  31.91 21.96 270 top
UT89  SMF5.0CA  [SOD123FL]  38.54 15.61 270 top
UT90  SMF5.0CA  [SOD123FL]  40.83 21.96 270 top
UT91  SMF5.0CA  [SOD123FL]  41.11 15.64 270 top
UT92  SMF5.0CA  [SOD123FL]  43.37 21.96 270 top
UT93  SMF5.0CA  [SOD123FL]  72.98 15.61 270 top
UT94  SMF5.0CA  [SOD123FL]  75.27 21.96 270 top
UT95  SMF5.0CA  [SOD123FL]  77.97 15.64 270 top
UT96  SMF5.0CA  [SOD123FL]  77.81 21.96 270 top
UT97  SMF5.0CA  [SOD123FL]  84.44 15.61 270 top
UT98  SMF5.0CA  [SOD123FL]  86.73 21.96 270 top
UT99  SMF5.0CA  [SOD123FL]  87.01 15.64 270 top
UT100  SMF5.0CA  [SOD123FL]  89.27 21.96 270 top
UT107  PESD3V3L1BA-N  [SOD323]  117.21 3.97 90 top
UT108  PESD3V3L1BA-N  [SOD323]  143.83 85.2 180 top
UT109  PESD3V3L1BA-N  [SOD323]  4.1 68.44 0 top
UT110  SMF5.0CA  [SOD123FL]  33.9 49.26 0 top
UT112  SMBJ8.0CA  [SMB]  70.77 79.67 90 top
UT113  SMBJ8.0CA  [SMB]  74.83 83.74 90 top
UT114  SP3485EEN  [SOIC8N]  91.72 70.78 0 top
UT115  SMBJ8.0CA  [SMB]  91.72 83.87 90 top
UT116  SMBJ8.0CA  [SMB]  87.66 79.8 90 top
UT117  SMBJ8.0CA  [SMB]  95.78 79.8 270 top
UT118  SMBJ12CA  [SMB]  54.76 79.67 90 top
UT119  SMBJ12CA  [SMB]  62.89 79.67 270 top
UT120  PESD3V3L1BA-N  [SOD323]  124.96 8.29 90 top
UT121  PESD3V3L1BA-N  [SOD323]  137.48 37.33 0 top
VD2  BZT52C8V2S  [SOD323]  128 46.65 270 top
VD3  BZT52C8V2S  [SOD323]  128 39.05 90 top
Y1  32.768KHz/12.5pF  [SMD3215-2P]  75.68 56.12 90 top

## Library data of the parts
C19 C22 C26 C35 C36 C48 C135-C138 C616 C626 C628 C940 C942 C943 C964-C979 C981 C983 C984 C986 C987 C989 C990 C992 C993 C995 C996 C998 C999 C1001 C3332 C3343 C3345 C3347-C3350 C3352-C3354 C3357-C3360 C3366 C3371-C3373 CB25-CB28 CB33-CB35 CB37 CB38 CT35-CT37 CT40 CT58-CT65 CT68-CT71 CT73-CT78 = C0603
C20 C21 C23 C25 C27 C31 C33 C34 C531 C612 C1002 C3346 CB22 CB24 CB30 CB36 CT56 CT57 CT67 CT72 = C0402
C564 C3337 = CSMT_50V_330UF_12p5x13p5: User Part Number: pn; Tolerance: RichardLC
C566 C3334-C3336 C3338 C3340-C3342 C3355 C3361-C3365 C3367-C3369 C3376 = C0805
C611 C627 C982 C985 C988 C991 C994 C997 C1000 C1003 C3339 = CSMT_25V_220UF_0
C619 C3331 = CSMT_25V_220UF_8x10p5
C956 = CAP NP
C3356 = CSMT_25V_220UF_2: Tolerance: #TOL; User Part Number: #PRT
C3370 = CSMT_25V_220UF_3
D816-D832 D836-D838 D841 = SMB
D833-D835 = LED0603
D839 D840 = SMB: Tolerance: #TOL; User Part Number: #PRT
DB49 DB51 DT46 DT47 DT70 DT71 DT74 DT76 DT78-DT84 R68 R69 R71 R342 R343 R806 R807 R6130 R6131 R6199-R6206 R6208 R6209 R6211 R6212 R6214 R6215 R6217 R6218 R6220 R6221 R6223 R6224 R6226-R6235 R6239-R6242 R6244-R6246 R6248 R6249 R61218 R61220-R61229 R61231 R61232 R61234-R61241 R61243-R61247 RT138-RT141 RT158-RT169 = R0603: Tolerance: #TOL; User Part Number: #PRT
DT73 DT75 R35 R254 R6128 R6170 R6171 R6183-R6198 R6243 R6250 R61217 RT71 RT72 RT84 RT85 RT142-RT157 RT170 RT172 RT173 = R0402
ESD9 ESD10 = ESD0603
FB1 = GZ2012D601TF_JLC_0
J66 J72 J76 = CON1X8-2_0.54-M: Tolerance: #TOL; User Part Number: #PRT
J67 = CON1X8-2_4.54-M: Tolerance: #TOL; User Part Number: #PRT
J68-J70 J77 = CON1X8-2_1.54-M: Tolerance: #TOL; User Part Number: #PRT
J71 = CON1X8-2_7.54-M
J74 J75 = CON1X8-2_6.54-M: Tolerance: #TOL; User Part Number: #PRT
L3-L6 = DFE252012P-4R7M: Tolerance: #TOL; User Part Number: #PRT
L7 = L-L2520
MH1-MH4 = M HOLE2_0
Q11-Q15 = 2N3904
R6129 R6207 R6210 R6213 R6216 R6219 R6222 R6225 = R1206_1
R6151 R6168 R6169 R6237 R6238 = R0805: User Part Number: #PRT; Tolerance: #TOL
R6179 R61230 R61233 = R1206_2
TP34 TP35 TP37 TP38 = TP_SMD_020
U7 U3155 = SY8089A_0
U9 = BEEPER
U16 = XTAL_4
U61 U3151-U3153 = TLP521-4: Tolerance: #TOL; User Part Number: #PRT
U3018 = SY6280AAC
U3054 = SMBJ30A
U3056 U3146 = LMR14050
U3064 U3150 = SMBJ30A_0
U3107 U3134-U3140 = MS4553S_level_Shifter_1: Tolerance: #TOL; User Part Number: #PRT
U3118 = TJA1040T_SO_8P
U3119 = STM32F103_QFN64_12
U3132 U3148 U3149 U3161 = MP1470GJ-Z_JLC_3
U3141 U3144 U3147 = STPS20S100CT_TO220_JLC_0: Tolerance: #TOL; User Part Number: #PRT
U3154 = LMR14050_0
U3156 = CH340C_4: Tolerance: #TOL; User Part Number: #PRT
U3157-U3160 = FDC658P_7: Tolerance: #TOL; User Part Number: #PRT
U3162 = STP7NK30Z: Tolerance: #TOL; User Part Number: #PRT
U3163 = IRFR5305PBF_0: Tolerance: #TOL; User Part Number: #PRT
UB11-UB16 = FUSE1206
UB17 = FUSE1206_0: Tolerance: #TOL; User Part Number: #PRT
UT22 = SN74LVC2T45DCUR_JLC_0
UT23 = DCDC0505-2W_0: Tolerance: #TOL; User Part Number: #PRT
UT25 = SN74LVC4245APW_5
UT44 UT114 = SP485EEN
UT52 UT85-UT100 UT107-UT110 UT112 UT113 UT115-UT121 = 1.5KE TVS
VD2 VD3 = ZMM12V_0.5W
Y1 = CRYSTAL_DIP: Tolerance: #TOL; User Part Number: #PRT
